# Altium PCB MINI_ESC_G0_V1.0.PcbDoc
Units mm, origin at the board's own origin, x right, y up, seen from the top; angles counter-clockwise.
Board outline 51.5 x 28 mm, 2 copper layers (Top Layer, Bottom Layer); 50 components, 35 nets, 156 pads, 98 vias.
Unrouted connection lines stored in the file: 2.
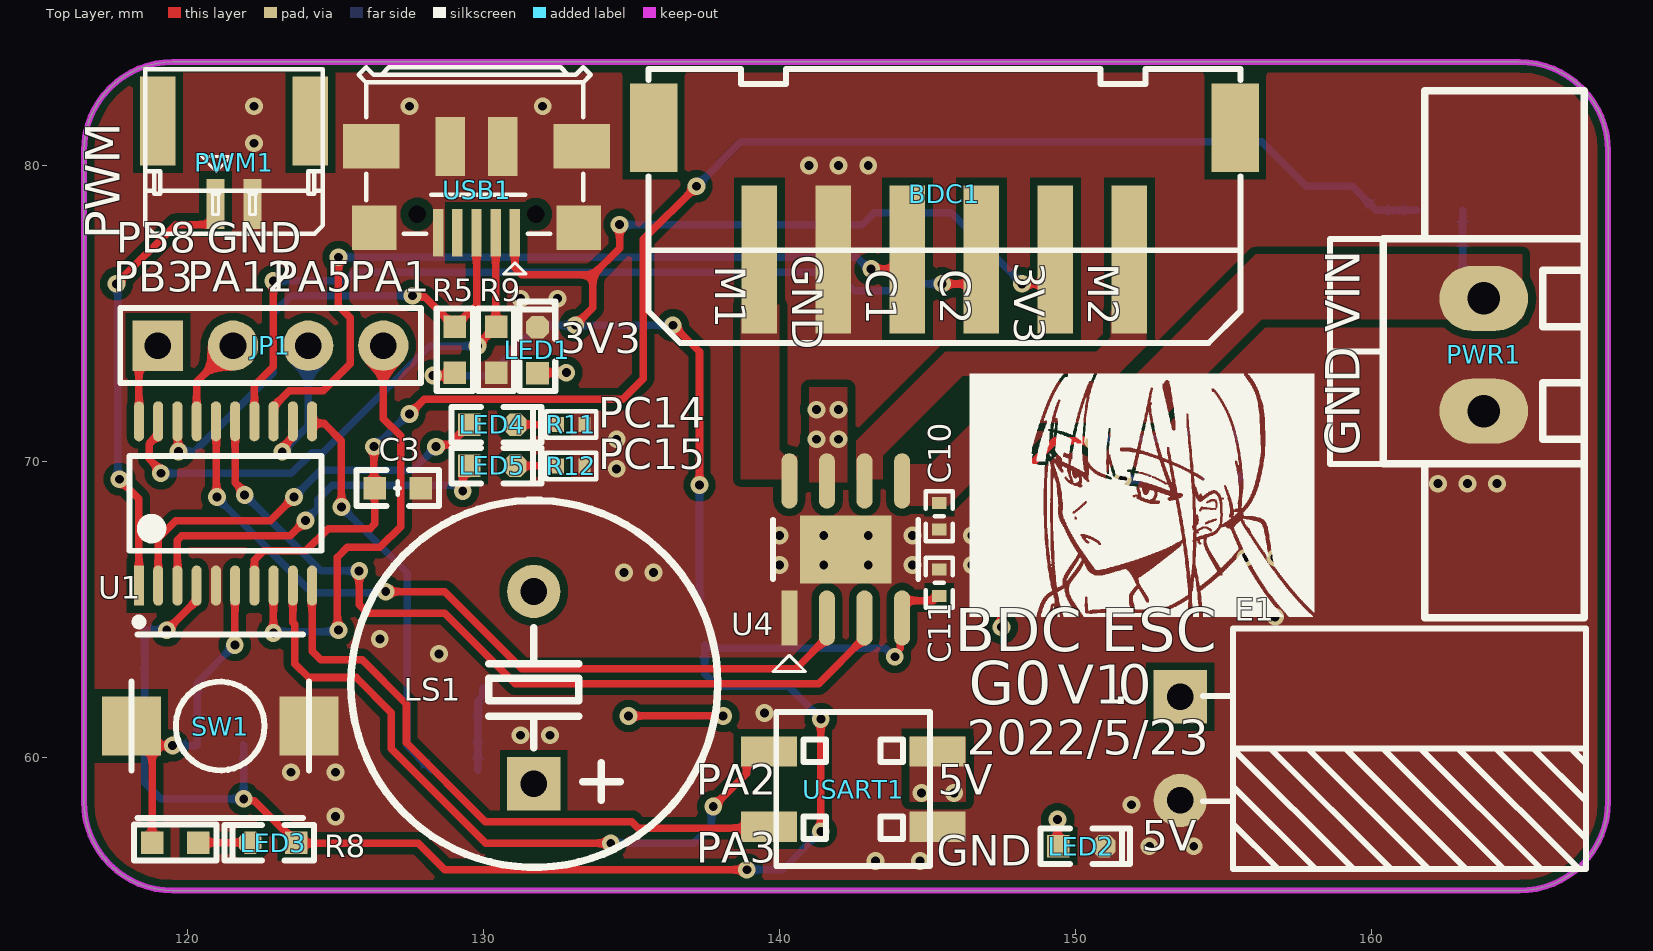
[diagram p0: Top Layer view]
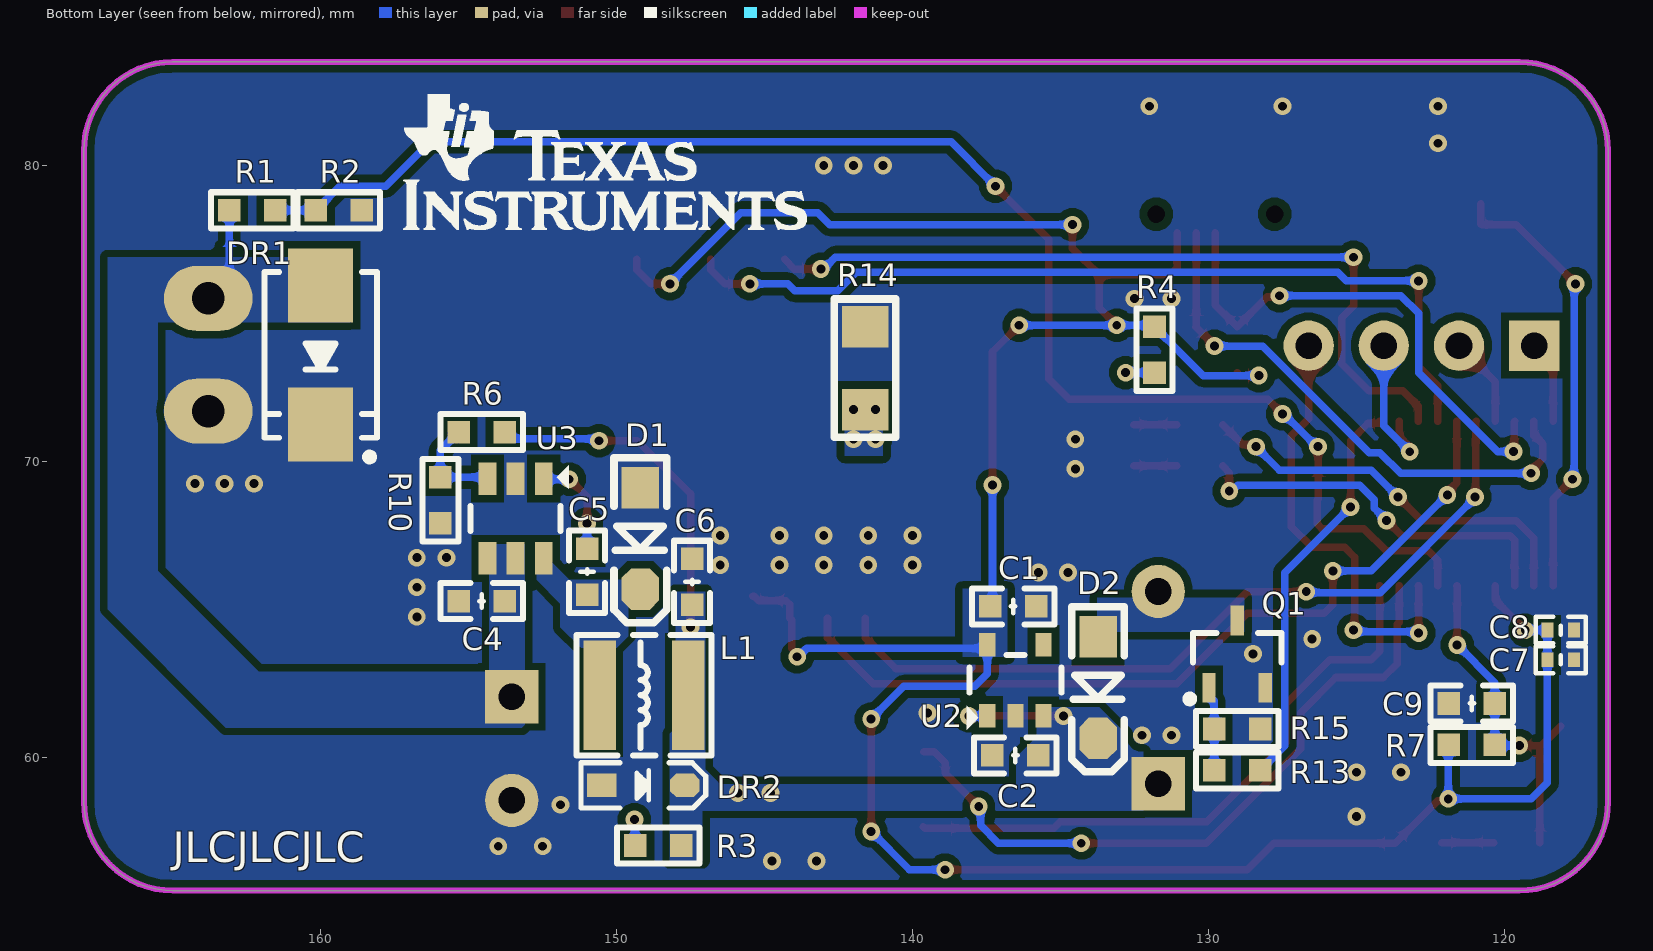
[diagram p1: Bottom Layer view, seen from below]

## Layer stack, top to bottom
Top Solder: solder mask 0.0102, Solder Resist, Dk 3.5
Top Layer: signal copper 0.0356
Dielectric 1: dielectric 0.32, FR-4, Dk 4.8
Bottom Layer: signal copper 0.0356
Bottom Solder: solder mask 0.0102, Solder Resist, Dk 3.5

## Board outline
116.5,58.5 116.5,80.5 cw(c119.5,80.5) 119.5,83.5 165,83.5 cw(c165,80.5) 168,80.5 168,58.5 cw(c165,58.5) 165,55.5 119.5,55.5 cw(c119.5,58.5)

## Design rules (kind name [scope] priority, off if disabled: settings)
Clearance Polygon [InPolygon] p1: gap=0.254 ignorepadtopadclearanceinfootprint=FALSE
Clearance [All] p2: gap=0.127 ignorepadtopadclearanceinfootprint=FALSE except(0.254: Arc-Arc Arc-Track Track-Track; 0.305: Arc-Via Arc-Hole Track-Via Track-Hole)
HoleSize [All] p1: absolutevalues=TRUE maxlimit=10 minlimit=0.3 maxpercent=80.000 minpercent=20.000
MinimumSolderMaskSliver [All] p1: minsoldermaskwidth=0
PlaneConnect [All] p1: planeconnectstyle=Direct reliefexpansion=0.508 reliefentries=4 reliefconductorwidth=0.254 reliefairgap=0.254
PolygonConnect [All] p1: connectstyle=Direct reliefconductorwidth=0.254 reliefentries=4 polygonreliefangle="90 Angle" airgapwidth=0.254
RoutingVias [All] p1: holewidth=0.3 width=0.6 viastyle="Through Hole" minholewidth=0.3 minwidth=0.6 maxholewidth=0.711 maxwidth=1.27
SilkToSilkClearance [All] p1: silktosilkclearance=0
SilkToSolderMaskClearance [IsPad] p1: minsilkscreentomaskgap=0 clearancetoexposedcopper=TRUE
SolderMaskExpansion [All] p1: expansion=0.064 istentingtop=FALSE
Width [All] p1: maxlimit=1.016 minlimit=0.127 preferedwidth=0.254
25 further rules are at their usual default settings.

## Components (designator, comment, footprint, x,y, rotation, side; value= is the part's Value field where it differs from the comment)
BDC1 "HDR-1X6" XH2.54-LS-6P 145.575,80.26 r0 top
C1 "4.7uF" "C 0603_L" 136.6,65.1 r0 bottom
C2 "105" "C 0603_L" 136.525,60.071 r180 bottom
C3 "101" "C 0603_L" 127.1,69.1 r180 top
C4 "2.2μF/50V" "C 0603_L" 154.559,65.278 r0 bottom
C5 "220nF" "C 0603_L" 151,66.277 r270 bottom
C6 "106" "C 0603_L" 147.447,65.928 r90 bottom
C7 "104" "C 0402_L" 118.1,63.3 r0 bottom
C8 "4.7uF" "C 0402_L" 118.1,64.3 r0 bottom
C9 "104" "C 0603_L" 121.104,61.822 r180 bottom
C10 "104" "C 0402_L" 145.4,68.15 r90 top
C11 "104" "C 0402_L" 145.4,65.9 r270 top
D1 "1N5819" SOD-123 149.2,67.4 r270 bottom
D2 "1N4002" SOD-123 133.731,62.357 r270 bottom
DR1 "SMBJ28CA" SMB 160,73.6 r270 bottom
DR2 "SMF5.0A" SOD-323 149.098,59.055 r180 bottom
E1 "220uF/35V" "CAP 3.5*8*11.5-H - BK" 153.543,60.297 r270 top
JP1 "HDR-1X4" HDR2.54-LI-4P 122.809,73.914 r0 top
L1 "22uH" NR4030 149.074,62.103 r180 bottom
LED1 "ORANGE" "LED 0603R" 131.826,73.755 r90 top
LED2 "PINK" "LED 0603R" 150.2,57 r0 top
LED3 "WHITE" "LED 0603W" 122.897,57.123 r180 top
LED4 "RED" "LED 0603R" 130.302,71.247 r0 top
LED5 "GREEN" "LED 0603G" 130.302,69.85 r0 top
LS1 "DC5V" "BEEP 6.5x12x6" 131.699,62.357 r0 top
PWM1 "HDR-1X2" GH1.25-LS-2P 121.575,81.2 r180 top
PWR1 "绿头卧式2P" 15EDGVM-02P-3.81mm 163.3,79.32 r90 top
Q1 "S9013" SOT23-3L 129.032,63.5 r180 bottom
R1 "39K" "R 0603_L" 162.306,78.486 r0 bottom
R2 "2.2K" "R 0603_L" 159.385,78.486 r0 bottom
R3 "3.3K" "R 0603_L" 148.59,57.023 r180 bottom
R4 "2K" "R 0603_L" 131.826,73.772 r90 bottom
R5 "10K" "R 0603_L" 129.032,73.772 r270 top
R6 "54.9K" "R 0603_L" 154.559,70.993 r0 bottom
R7 "10K" "R 0603_L" 121.104,60.425 r0 bottom
R8 "1K" "R 0603_L" 119.58,57.123 r0 top
R9 "10K" "R 0603_L" 130.429,73.772 r270 top
R10 "10K" "R 0603_L" 155.956,68.692 r270 bottom
R11 "1K" "R 0402_L" 132.969,71.247 r180 top
R12 "1K" "R 0402_L" 132.969,69.85 r180 top
R13 "2K" "R 0603_L" 129.032,59.563 r0 bottom
R14 "0.14" "R 1206_L" 141.605,73.152 r270 bottom
R15 "3.3K" "R 0603_L" 129.032,60.96 r0 bottom
SW1 "6x6x5" "TS 2PIN 6x6x4.8" 121.104,61.06 r0 top
U1 "STM32G030F6P6" STMicroelectronics_TSSOP20-YA_IPC_C 121.285,68.58 r90 top
U2 "LP5907MFX-3.3" Diodes_SOT25_MFG 136.525,62.611 r90 bottom
U3 "LMR14206XMK" Texas_Instruments_DDC0006A_0 153.416,68.072 r0 bottom
U4 "DRV8870DDAR" Texas_Instruments_DDA0008J_IPC_C 142.24,67.026 r90 top
USART1 "Header2X2" HDR2.54-M-LS-2x2P 142.494,58.928 r270 top
USB1 "USB-5P" USB-MICRO_E 129.767,80.647 r180 top

## Footprints (in the part's own frame and the unit in brackets; to place one, negate y for a bottom-side part, rotate by r counter-clockwise, add the part's x,y. Pads: shape width x height; smd on the part's side, far side on the other; paste and mask are expansions set on the pad)
15EDGVM-02P-3.81mm [mm]
  oval 2.2x3 hole 1.1: 1(-7.62,-0.5) 2(-3.81,-0.5)
  silkscreen extent -14.6,-3.9 3.2,2.9, body extent -14.7,-4 3.31,3, height 9.2
"BEEP 6.5x12x6" [mm] "6.5*12*6mm(脚距,直径,高度)"
  rect 1.8x1.8 hole 0.9: 1(0,-3.25)
  round 1.8 hole 0.9: 2(0,3.25)
  silkscreen extent -6.18,-6.07 6.22,6.32, body extent -6,-6 6,6, height 6.05
"C 0402_L" [mm] "无极性贴片电容"
  rect 0.4x0.5 smd: 1(-0.45,0) 2(0.45,0)
  silkscreen extent -0.85,-0.45 0.85,0.45, body extent -0.5,-0.26 0.5,0.26, height 0.53
"C 0603_L" [mil] "无极性贴片电容"
  rect 30x30 smd: 1(-30.59,0) 2(30.59,0)
  silkscreen extent -55,-24 55,24, body extent -31,-16 31,16, height 32
"CAP 3.5*8*11.5-H - BK" [mm] "脚距3.5mm直径8mm高度11.5mm"
  rect 1.8x1.8 hole 0.9: 1(-1.75,0)
  round 1.8 hole 0.9: 2(1.75,0)
  silkscreen extent -4.06,0.76 4.06,13.72, body extent -4,-0.3 4.01,13.41, height 8.03
Diodes_SOT25_MFG [mm]
  rect 0.8x0.55 smd paste+0 mask+0: 1(-1.2,0.95) 2(-1.2,0) 3(-1.2,-0.95) 4(1.2,-0.95) 5(1.2,0.95)
  silkscreen extent -1.67,-1.55 0.85,1.65, body extent -1.4,-1.47 1.4,1.45, height 1.45
GH1.25-LS-2P [mm] "A1257WR-S-2P"
  rect 1.2x3 smd: 0(-2.575,-0.3) 0(2.575,-0.3)
  rect 0.6x1.7 smd: 1(0.625,2.5) 2(-0.625,2.5)
  silkscreen extent -3,-2.05 3,2.85, body extent -2.88,-2.05 2.88,2.85, height 4.08
HDR2.54-LI-4P [mm] "排针，4脚"
  rect 1.7x1.7 hole 0.9: 1(-3.81,0)
  round 1.7 hole 0.9: 2(-1.27,0) 3(1.27,0) 4(3.81,0)
  silkscreen extent -5.08,-1.27 5.08,1.27, body extent -5.08,-1.27 5.08,1.27, height 8.5
HDR2.54-M-LS-2x2P [mm] "脚距：2.54mm，贴片双排母"
  rect 1.02x1.9 smd: 1(-1.27,2.85) 2(-1.27,-2.85) 3(1.27,2.85) 4(1.27,-2.85)
  silkscreen extent -2.6,-2.6 2.6,2.6, body extent -2.57,-3.2 2.57,3.2, height 5.15
"LED 0603G" [mil] "绿色0603LED"
  rect 30x30 smd: 1(-30.59,0)
  oct 30x30 smd: 2(30.59,0)
  silkscreen extent -54,-24 65,24, body extent -31,-16 32,16, height 24
"LED 0603R" [mil] "红色0603LED"
  rect 30x30 smd: 1(-30.59,0)
  oct 30x30 smd: 2(30.59,0)
  silkscreen extent -54,-24 65,24, body extent -31,-16 32,16, height 24
"LED 0603W" [mil] "白色0603LED"
  rect 30x30 smd: 1(-30.59,0)
  oct 30x30 smd: 2(30.59,0)
  silkscreen extent -54,-24 65,24, body extent -31,-16 32,16, height 24
NR4030 [mm] "4.0mm*4.0mm*3.0mm(长*宽*高）"
  rect 1.1x3.7 smd: 1(-1.5,0) 2(1.5,0)
  silkscreen extent -2.29,-2.03 2.29,2.03, body extent -2,-2 2,2, height 3.1
"R 0402_L" [mm] "1/16W贴片电阻"
  rect 0.4x0.5 smd: 1(-0.45,0) 2(0.45,0)
  silkscreen extent -0.85,-0.45 0.85,0.45, body extent -0.5,-0.25 0.5,0.25, height 0.3
"R 0603_L" [mil] "1/10W贴片电阻"
  rect 30x30 smd: 1(-30.59,0) 2(30.59,0)
  silkscreen extent -55,-24 55,24, body extent -31,-16 31,16, height 16
"R 1206_L" [mil] "1/4W贴片电阻"
  rect 55x62 smd: 1(-55.12,0) 2(55.11,0)
  silkscreen extent -92,-41 92,41, body extent -63,-31 63,31, height 22
SMB [mm] "4.7*3.9*2.2mm(长宽高，不包括引脚）"
  rect 2.5x2.2 smd: 1(-2.35,0) 2(2.35,0)
  silkscreen extent -2.8,-1.9 3.57,1.9, body extent -2.63,-1.8 2.67,1.8, height 2.35
SOD-123 [mil] "2.7x1.6X1.1mm（长宽高，不包括引脚）"
  rect 55x50 smd: 1(-67.5,0)
  oct 55x50 smd: 2(67.5,0)
  silkscreen extent -108,-35 112,35, body extent -73,-31 73,31, height 48
SOD-323 [mm] "1.8x1.3X0.9mm（长宽高，不包括引脚）"
  rect 1x0.8 smd: 1(-1.4,0)
  oct 1x0.8 smd: 2(1.4,0)
  silkscreen extent -2.11,-0.76 2.11,0.76, body extent -1.34,-0.63 1.31,0.67, height 1
SOT23-3L [mm] "3x1.3x1mm(长宽高)"
  rect 0.45x1 smd: 1(-0.95,-1.143) 2(0.95,-1.143) 3(0,1.125)
  silkscreen extent -1.73,-1.65 1.5,0.7, body extent -1.5,-1.2 1.5,1.2, height 1.05
STMicroelectronics_TSSOP20-YA_IPC_C [mm]
  rect 1.355x0.341 smd paste+0 mask+0: 1(-2.775,2.925)
  rrect100% 1.355x0.341 smd paste+0 mask+0: 2(-2.775,2.275) 3(-2.775,1.625) 4(-2.775,0.975) 5(-2.775,0.325) 6(-2.775,-0.325) 7(-2.775,-0.975) 8(-2.775,-1.625) 9(-2.775,-2.275) 10(-2.775,-2.925) 11(2.775,-2.925) 12(2.775,-2.275) 13(2.775,-1.625) 14(2.775,-0.975) 15(2.775,-0.325) 16(2.775,0.325) 17(2.775,0.975) 18(2.775,1.625) 19(2.775,2.275) 20(2.775,2.925)
  silkscreen extent -4.13,-3.25 1.6,3.25, body extent -3.55,-3.35 3.55,3.35, height 0.25
Texas_Instruments_DDA0008J_IPC_C [mm]
  rect 1.874x0.542 smd paste+0 mask+0: 1(-2.316,1.905)
  rrect100% 1.874x0.542 smd paste+0 mask+0: 2(-2.316,0.635) 3(-2.316,-0.635) 4(-2.316,-1.905) 5(2.316,-1.905) 6(2.316,-0.635) 7(2.316,0.635) 8(2.316,1.905)
  rect 2.3x3.1 smd paste-1000 mask+0: 9(0,0)
  silkscreen extent -1,-2.45 1,2.45, body extent -3.35,-2.55 3.35,2.55, height 0.25
Texas_Instruments_DDC0006A_0 [mm]
  rect 0.6x1.1 smd paste+0 mask+0: 1(-0.95,-1.35) 2(0,-1.35) 3(0.95,-1.35) 4(0.95,1.35) 5(0,1.35) 6(-0.95,1.35)
  silkscreen extent -1.8,-1.8 1.53,0.43, body extent -1.45,-1.4 1.45,1.4, height 0.97
"TS 2PIN 6x6x4.8" [mm] "贴片轻触开关6x6x4.8"
  rect 2x2 smd: 1(-3,0) 2(3,0)
  silkscreen extent -3,-3.1 3,3.1, body extent -3.3,-3 3.3,3, height 5
USB-MICRO_E [mm] "micro型USB ，5.9*8.2*2.5mm"
  round 0 hole 0.6 unplated: 0(-2,2.294) 0(2,2.294)
  rect 0.35x1.6 smd: 1(-1.295,2.921) 2(-0.648,2.921) 3(0,2.921) 4(0.648,2.921) 5(1.295,2.921)
  rect 1.9x1.5 smd: 5(-3.556,0) 5(3.556,0)
  rect 1.5x1.5 smd: 5(-3.454,2.754) 5(3.454,2.754)
  rect 1x2 smd: 5(-0.889,0.01) 5(0.889,0.01)
  silkscreen extent -3.86,-2.67 3.99,4.32, body extent -4,-2.72 4,3.36, height 2.8
XH2.54-LS-6P [mm] "长：20mm，宽：6mm，高：8.3mm"
  rect 1.6x3 smd: 0(-9.826,1.016) 0(9.826,1.016)
  rect 1.2x5 smd: 1(-6.25,-3.433) 2(-3.75,-3.433) 3(-1.25,-3.433) 4(1.25,-3.433) 5(3.75,-3.433) 6(6.25,-3.433)
  silkscreen extent -10,-3.13 10,3, body extent -10,-6 10,3, height 8

## Part data
BDC1: library part "Header 6", "6P接插件", BOM名称=6P接插件
C1 C2 C3 C4 C5 C6 C7 C8 C9 C10 C11: library part C, "无极性贴片电容", BOM名称=无极性贴片电容, 材质=X7R
D1: "肖特基二极管", BOM名称=肖特基二极管, 属性=40V/2A
D2: library part 1N4007, "整流二极管", BOM名称=整流二极管
DR1 DR2: library part DR, "瞬态电压抑制二极管", BOM名称=瞬态电压抑制二极管
E1: library part C-CAP, "直插电解电容", BOM名称=直插电解电容
JP1: library part "Header 4", "4P接插件", BOM名称=4P接插件
L1: library part L-NR, "NR磁胶电感", BOM名称=NR磁胶电感
LED1 LED2 LED3 LED4 LED5: library part LED-SMD, "贴片LED", BOM名称=贴片LED
LS1: library part BEEP, "蜂鸣器", BOM名称=蜂鸣器
PWM1: library part "Header 2", "2P接插件", BOM名称=2P接插件
PWR1: "3.81间距"
Q1: library part 9013-SMD, "低频放大-NPN型", BOM名称=低频放大-NPN型, 属性=50V?0.5A?0.625W
R1 R2 R3 R4 R5 R6 R7 R8 R9 R10 R11 R12 R13 R14 R15: library part R, "贴片电阻", BOM名称=贴片电阻
SW1: library part "TSW SMD-2Pin-6x6", "2脚贴片6x6无声硅胶轻触开关", BOM名称=2脚轻触开关
U1: "Arm® Cortex®-M0+ 32-bit MCU, up to 64 KB Flash, 8 KB RAM, / 2x USART, timers, ADC, comm. I/Fs, 2.0-3.6V"
U2: library part LP5907MFX-3.3-NOPB, "250-mA ultra-low-noise low-IQ low-dropout (LDO) linear regulator 5-SOT-23 -40 to 125"
U3: "4.5V to 42V, 0.6A Step-Down DC/DC Switching Regulator in SOT-23 Package 6-SOT-23-THIN -40 to 125"
U4: "50-V, 3.6-A H-bridge motor driver with current regulation 8-SO PowerPAD -40 to 125"
USART1: library part "Header 2X2", "2*2P接插件", BOM名称=2*2P接插件
USB1: "微型USB母座", BOM名称=微型USB母座

## Via types
v1: diameter 0.6, hole 0.3, Top Layer to Bottom Layer, tented both sides, 98 vias

## Nets (pads, with @x,y where several pads share a name; then routed paths per layer and width w, separated by ;. In a path a pad name is that pad's centre, name@x,y a point inside that pad or via, vN(x,y) a via of type N, cw(c..) or ccw(c..) an arc to the next point about the centre after c; other vN are vias at no path point)
3V3: BDC1.5 C1.2 C7.2 C8.2 C11.2 LED3.1 R4.2 R5.2 R7.2 U1.4 U2.5 U4.4 USB1.1 | length 96.9
  Top Layer w0.254: v1(119.3,64.3) 119.306,64.3 120.31,65.304 U1.4 ; v1(121.9,58.6) 121.966,58.534 122.263,58.534 LED3.1 123.697,57.1 127.8,57.1 128.695,56.205 v1(138.9,56.205) ; v1(128.3,72.9) 128.937,72.9 R5.2 ; USB1.1 131.062,76.538 131.3,76.3 133.7,76.3 ; v1(133.1,74.6) 133.7,75.2 133.7,76.3 ; v1(134.6,78) 134.6,77.2 133.7,76.3 ; v1(136.4,74.6) 137.3,73.7 v1(137.3,69.2) ; v1(141.4,57.5) v1(141.4,61.3) ; 144.09,63.683 144.09,64.655 U4.4 144.145,65.167 144.278,65.3 145.2,65.3 145.35,65.45 C11.2 ; v1(148.2,76) 148.852,76 149.325,76.473 BDC1.5
  Bottom Layer w0.254: v1@119.3,64.3 C8.2 C7.2 118.55,59.15 119.1,58.6 v1(121.9,58.6) 121.9,60.406 R7.2 ; v1(128.3,72.9) 130.177,72.9 R4.2 131.877,74.6 v1(136.4,74.6) ; v1(134.6,78) 142.8,78 143.2,78.4 145.8,78.4 v1(148.2,76) ; v1(137.3,69.2) 137.3,65.177 C1.2 ; U2.5 U2.5@137.475,63.686 ; v1(138.9,56.205) 140.105,56.205 v1(141.4,57.5) ; v1(141.4,61.3) 140.3,62.4 137.9,62.4 137.475,62.825 U2.5@137.475,63.686 ; v1(143.9,63.4) 143.864,63.4 143.578,63.686 U2.5@137.475,63.686
5V: C2.2 C6.1 D2.2 DR2.2 L1.2 LS1.1 R3.2 R6.1 U2.1 U2.3 USART1.1 | length 15.6
  Top Layer w0.254: v1(134.9,61.4) v1(138.1,61.4) ; v1(147.5,64.4) 147.5,68.9 149.3,70.7 v1(150.6,70.7)
  Bottom Layer w0.254: U2.1 137.486,61.4 v1(138.1,61.4) ; v1(147.5,64.4) v1@147.6,64.4 ; v1(150.6,70.7) 150.666,70.766 153.555,70.766 R6.1
  other v1: 144.8,58.8 145.9,58.8
FB: R6.2 R10.1 U3.3 | length 3.4
  Bottom Layer w0.254: U3.3 154.413,69.469 R10.1 155.956,70.373 R6.2
GND: BDC1.2 C1.1 C2.1 C3.1 C4.2 C6.2 C7.1 C8.1 C9.1 C10.1 C11.1 D1.1 DR1.2 DR2.1 E1.2 LED1.2 LED2.2 PWM1.2 PWR1.1 Q1.2 R2.1 R9.2 R10.2 R11.1 R12.1 R14.1 R15.1 SW1.2 U1.5 U2.2 U3.2 U4.1 U4.9 USART1.3 USB1.5
  other v1: 143.25,56.5 144.75,56.5 152.5,57 154,57 125,58 151.9,58.4 123.5,59.5 125,59.5 131.25,60.75 132.25,60.75 139.5,61.5 128.5,63.5 126.5,64 156.75,64.75 156.75,65.75 134.75,66.25 135.75,66.25 140,66.5 141.5,66.5 143,66.5 144.5,66.5 146.5,66.5 155.75,66.75 156.75,66.75 140,67.5 141.5,67.5 143,67.5 144.5,67.5 146.5,67.5 162.25,69.25 163.25,69.25 164.25,69.25 134.5,69.75 134.5,70.75 131.25,75.5 132.5,75.5 141,80 142,80 143,80 122.25,80.75 122.25,82 127.5,82 132,82
M_A: BDC1.6 U4.6
M_B: BDC1.1 U4.8
NetC5_1: C5.1 U3.1 | length 3.5
  Top Layer w0.254: v1(151,67.9) 151,68.8 v1(151.6,69.4)
  Bottom Layer w0.254: C5.1 v1(151,67.9) ; v1(151.6,69.4) 152.444,69.4 U3.1
NetC5_2: C5.2 D1.2 L1.1 U3.6
NetD2_1: D2.1 LS1.2 Q1.3
NetLED1_1: LED1.1 R4.1 | length 2
  Top Layer w0.254: LED1.1 131.848,73 v1(132.8,73)
  Bottom Layer w0.254: R4.1 131.831,73 v1(132.8,73)
NetLED2_1: LED2.1 R3.1 | length 1.8
  Top Layer w0.254: v1(149.4,57.9) 149.4,57.023 LED2.1
  Bottom Layer w0.254: R3.1 149.381,57.037 149.381,57.881 v1(149.4,57.9)
NetLED3_2: LED3.2 R8.2 | length 1.8
  Top Layer w0.254: R8.2 LED3.2
NetLED4_2: LED4.2 R11.2 | length 1.4
  Top Layer w0.254: LED4.2 R11.2
NetLED5_2: LED5.2 R12.2 | length 1.4
  Top Layer w0.254: LED5.2 R12.2
NetQ1_1: Q1.1 R13.2 R15.2 | length 2.9
  Bottom Layer w0.254: R13.2 R15.2 129.809,61.909 129.982,62.082 Q1.1
NetR14_2: R14.2 U4.7
  other v1: 141.25,70.75 142,70.75 141.25,71.75 142,71.75
NRST: C9.2 R7.1 R8.1 SW1.1 U1.6 | length 11.7
  Top Layer w0.254: SW1.1 SW1.1@118.764,60.4 ; R8.1 118.803,60.361 SW1.1@118.764,60.4 ; v1(119.5,60.4) SW1.1@118.764,60.4 ; v1(121.6,63.8) 121.605,63.805 121.605,65.8 U1.6
  Bottom Layer w0.254: v1(119.5,60.4) 120.302,60.4 R7.1 C9.2 120.327,62.527 v1(121.6,63.8)
PA0-ADC1_IN0: C3.2 R1.1 R2.2 U1.7 | length 51.3
  Top Layer w0.254: U1.7 122.26,66.66 122.584,66.984 124.001,66.984 124.749,67.732 126.167,67.732 126.323,67.888 126.323,68.7 126.3,68.723 v1(126.3,70.5) ; v1(127.5,71.6) 128,72.1 134.7,72.1 135.4,72.8 135.4,77.5 v1(137.2,79.3)
  Bottom Layer w0.254: v1(126.3,70.5) 126.35,70.5 127.45,71.6 v1(127.5,71.6) ; v1(137.2,79.3) 138.7,80.8 156.3,80.8 157.8,79.3 159.348,79.3 R2.2 R1.1
PA1: JP1.4 U1.8 | length 15.2
  Top Layer w0.254: v1(122.9,64.2) 122.905,64.205 122.905,65.8 U1.8 ; v1(125.1,64.3) 125.068,64.332 125.068,66.768 125.4,67.1 126.5,67.1 127.2,67.8 127.2,70.865 126.619,71.446 JP1.4
  Bottom Layer w0.254: v1(122.9,64.2) 122.95,64.25 125.05,64.25 v1(125.1,64.3)
PA2-USART2_TX: U1.9 USART1.2 | length 23.7
  Top Layer w0.254: U1.9 123.56,64.575 123.632,64.503 123.632,63.168 124.1,62.7 125.7,62.7 126.892,61.508 126.892,60.29 130.082,57.1 v1(134.3,57.1) ; v1(137.766,58.34) 138.889,59.462 138.889,59.815 139.272,60.198 USART1.2@139.624,60.198
  Bottom Layer w0.254: v1(134.3,57.1) 137.1,57.1 137.7,57.7 137.7,58.274 v1(137.766,58.34)
PA3-USART2_RX: U1.10 USART1.4 | length 20.9
  Top Layer w0.254: U1.10 124.21,63.59 124.5,63.3 125.9,63.3 127.4,61.8 127.4,60.5 130.068,57.832 135.003,57.832 135.227,57.608 139.594,57.608 USART1.4
PA4-BEEP: R13.1 U1.11 | length 13.7
  Top Layer w0.254: U1.11 124.21,71.327 124.25,71.287 124.613,71.287 125.2,70.7 v1(125.2,68.464)
  Bottom Layer w0.254: v1(125.2,68.464) 127.432,66.232 127.432,60.386 R13.1
PA5: JP1.3 U1.12 | length 5.1
  Top Layer w0.254: v1(123.2,70.326) 123.266,70.392 123.266,70.531 123.56,70.825 U1.12 ; JP1.3 JP1.3@124.09,73.925
  Bottom Layer w0.254: v1(123.2,70.326) 124.079,71.205 JP1.3
PA6-TIM3_CH1: BDC1.3 U1.13 | length 27
  Top Layer w0.254: U1.13 122.91,71.863 123.437,72.39 124.59,72.39 125.5,73.3 125.5,74.853 125.1,75.253 v1(125.1,76.9) ; v1(143.1,76.5) 143.998,76.5 BDC1.3
  Bottom Layer w0.254: v1(125.1,76.9) 142.606,76.9 143.006,76.5 v1(143.1,76.5)
PA7-TIM3_CH2: BDC1.4 U1.14 | length 30
  Top Layer w0.254: U1.14 122.26,72.56 122.9,73.2 v1(122.9,76.1) ; v1(145.5,76) 146.352,76 146.825,76.473 BDC1.4
  Bottom Layer w0.254: v1(122.9,76.1) 122.908,76.108 125.343,76.108 125.627,76.392 141.908,76.392 142.532,75.768 143.986,75.768 144.218,76 v1(145.5,76)
PA8-TIM1_CH1: U1.15 U4.3 | length 28.2
  Top Layer w0.254: U1.15 121.61,69.284 121.932,68.962 v1(121.932,68.868) ; v1(125.8,66.3) 125.8,65.165 126.097,64.868 128.699,64.868 131.075,62.492 141.323,62.492 142.875,64.044 U4.3
  Bottom Layer w0.254: v1(121.932,68.868) 124.5,66.3 v1(125.8,66.3)
PA11-TIM1_CH4: U1.16 U4.2 | length 26.7
  Top Layer w0.254: U1.16 120.977,71.339 120.977,68.823 v1(121,68.8) ; v1(126.7,65.6) 128.7,65.6 131.3,63 140.561,63 141.605,64.044 U4.2
  Bottom Layer w0.254: v1(121,68.8) 121,68.765 124.197,65.568 126.668,65.568 v1(126.7,65.6)
PA12: JP1.2 U1.17 | length 3.1
  Top Layer w0.254: U1.17 120.31,72.685 JP1.2
PB3: JP1.1 U1.20 | length 2.8
  Top Layer w0.254: U1.20 118.36,73.275 JP1.1
PB8-TIM16_CH1: PWM1.1 U1.1 | length 15.2
  Top Layer w0.254: v1(117.6,76) 119.6,78 120.777,78 120.8,78.023 PWM1.1@120.8,78.7 ; v1(117.7,69.4) 118.36,68.74 U1.1
  Bottom Layer w0.254: v1(117.6,76) 117.65,75.95 117.65,69.45 v1(117.7,69.4)
PC14-LED1: LED4.1 U1.2 | length 13.7
  Top Layer w0.254: U1.2 119.01,67.41 119.6,68 122.8,68 v1(123.6,68.8) ; v1(128.4,70.5) 128.466,70.566 128.844,70.566 LED4.1
  Bottom Layer w0.254: v1(123.6,68.8) 124.503,69.703 127.603,69.703 v1(128.4,70.5)
PC15-LED2: LED5.1 U1.3 | length 13.1
  Top Layer w0.254: U1.3 119.66,67.342 119.81,67.492 123.475,67.492 v1(123.991,68.009) ; v1(129.3,69) 129.3,69.625 LED5.1
  Bottom Layer w0.254: v1(123.991,68.009) 123.991,68.018 124.4,68.427 124.4,68.699 124.897,69.195 129.011,69.195 129.206,69 v1(129.3,69)
SWCLK: R9.1 U1.19 USB1.2 | length 18.6
  Top Layer w0.254: U1.19 119.01,70.872 118.943,70.805 118.917,70.805 118.7,70.588 118.7,70.094 119.1,69.694 v1(119.1,69.6) ; v1(129.8,73.9) 129.8,73.92 R9.1 130.415,74.563 USB1.2
  Bottom Layer w0.254: v1(119.1,69.6) 122.235,69.6 122.241,69.594 123.503,69.594 124.209,70.3 124.566,70.3 128.166,73.9 v1(129.8,73.9)
SWDIO: R5.1 U1.18 USB1.3 | length 17.6
  Top Layer w0.254: U1.18 119.677,71.339 119.677,70.355 v1(119.7,70.332) ; v1(127.6,75.6) 127.637,75.563 128.018,75.563 R5.1 129.767,75.284 USB1.3
  Bottom Layer w0.254: v1(119.7,70.332) 120.232,70.332 122.9,73 122.9,75 123.5,75.6 v1(127.6,75.6)
VIN: C4.1 C10.2 DR1.1 E1.1 PWR1.2 R1.2 U3.4 U3.5 U4.5 | length 2.5
  Bottom Layer w0.254: R1.2 163.083,76.122 PWR1.2@163.195,76.01
pads on no net: BDC1.0 PWM1.0 U2.4 USB1.0 USB1.4

## Polygon pours and split planes (outlines as drawn)
GND on Top Layer "GND_L01_P012" (solid, remove dead copper, pour order 12): 116.5,58.5 116.5,80.5 cw(c119.5,80.5) 119.5,83.5 165,83.5 cw(c165,80.5) 168,80.5 168,58.5 cw(c165,58.5) 165,55.5 119.5,55.5 cw(c119.5,58.5)
5V on Top Layer "5V_L01_P009" (solid, remove dead copper, pour order 9): 144.4,60.7 144.4,58.5 146.3,58.5 146.3,60.7
M_B on Top Layer "M_B_L01_P003" (solid, remove dead copper, pour order 3): 140.6,69.4 138.7,69.4 138.7,75.3 140,75.3 140,70.4 140.2,70.2 140.6,70.2
M_A on Top Layer "M_A_L01_P004" (solid, remove dead copper, pour order 4): 142.6,69.4 143.5,69.4 143.5,70.2 146.2,72.9 151.4,72.9 152.4,73.9 152.4,75.1 151.2,75.1 151.2,74.2 150.7,73.7 145.6,73.7 142.6,70.7 142.6,69.9
NetR14_2 on Top Layer "NETR14_2_L01_P002" (solid, remove dead copper, pour order 2): 141,69.3 142.3,69.3 142.3,72.5 141,72.5
VIN on Top Layer "VIN_L01_P000" (solid, remove dead copper, pour order 0): 144.1,68.5 145.7,68.5 148.5,71.3 152.8,71.3 156.3,74.8 165.1,74.8 165.1,77 157.6,77 156.1,77 151.8,72.7 147.9,72.7 145.1,69.9 144.1,69.9
GND on Bottom Layer "GND_L02_P013" (solid, remove dead copper, pour order 13): 116.5,58.5 116.5,80.5 cw(c119.5,80.5) 119.5,83.5 165,83.5 cw(c165,80.5) 168,80.5 168,58.5 cw(c165,58.5) 165,55.5 119.5,55.5 cw(c119.5,58.5)
5V on Bottom Layer "5V_L02_P008" (solid, remove dead copper, pour order 8): 148.2,56.5 147.1,56.5 147.1,58.2 132.2,58.2 132.2,60.2 133.7,61.7 135.8,61.7 135.8,60.7 136.5,60 136.5,59.1 146.5,59.1 147,59.6 147,65.6 148,65.6 148,61.2 147.9,61.1 148.2,60.8 148.2,58.9
3V3 on Bottom Layer "3V3_L02_P011" (solid, remove dead copper, pour order 11): 136.8,63.4 138.3,63.4 138.3,65.7 136.8,65.7
NetD2_1 on Bottom Layer "NETD2_1_L02_P010" (solid, remove dead copper, pour order 10): 128.8,64.25 133.759,64.25 133.759,65.4 128.8,65.4
NetC5_2 on Bottom Layer "NETC5_2_L02_P007" (solid, remove dead copper, pour order 7): 152.2,66.6 151.6,66 149.6,66 149.6,64.1 150,63.7 151.2,63.7 151.9,64.4 151.9,65.2 152.7,66 152.7,66.6
NetR14_2 on Bottom Layer "NETR14_2_L02_P005" (solid, remove dead copper, pour order 5): 141,72.4 141,70.2 142.3,70.2 142.3,72.4
VIN on Bottom Layer "VIN_L02_P001" (solid, remove dead copper, pour order 1): 153.1,67.2 153.1,61.1 153.2,61 163.2,61 167.2,65 167.2,76.9 159,76.9 159,74.7 165.5,74.7 165.5,66.3 162.1,62.9 154.3,62.9 154.3,67.2

## Keep-outs
Keep-Out Layer:
  the board outline again, w0.2

## Silkscreen, mask and mechanical layers (free items; w line width, h text height)
Top Overlay:
  drawing of 7016 lines, arcs and shapes, not listed
  text "PWM" at 118.1,77.509 h2 r90
  text "GND" at 140.1,76.988 h1.75 r270
  text "3V3" at 147.6,76.726 h1.75 r270
  text "PB8" at 117.596,76.713 h1.75
  text "GND" at 120.643,76.713 h1.75
  text "M2" at 150.1,76.704 h1.75 r270
  text "M1" at 137.5,76.604 h1.75 r270
  text "C1" at 142.6,76.488 h1.75 r270
  text "C2" at 145.1,76.488 h1.75 r270
  text "PB3" at 117.486,75.4 h1.75
  text "PA12" at 119.986,75.4 h1.75
  text "PA5" at 122.886,75.4 h1.75
  text "PA1" at 125.486,75.4 h1.75
  text "VIN" at 160,74.361 h2 r90
  text "3V3" at 132.572,73.326 h1.75
  text "PC14" at 133.886,70.8 h1.75
  text "GND" at 160,70.194 h2 r90
  text "PC15" at 133.886,69.4 h1.75
  text "BDC ESC" at 145.922,63.1 h2.5
  text "V1" at 149.404,61.375 h2.25
  text "0" at 151.438,61.375 h2.25
  text "G0" at 146.392,61.3 h2.5
  text "." at 151.227,61.3 h2.5
  text "2022/5/23" at 146.322,59.7 h2
  text "PA2" at 137.186,58.4 h1.75
  text "5V" at 145.351,58.4 h1.75
  text "5V" at 152.251,56.5 h1.75
  text "PA3" at 137.186,56.1 h1.75
  text "GND" at 145.312,56 h1.75
Bottom Overlay:
  drawing of 2235 lines, arcs and shapes, not listed
  text "JLCJLCJLC" at 165.003,56.119 h1.75
Top Solder:
  region: 143.5,69.4 142.6,69.4 142.6,70.7 145.6,73.7 150.7,73.7 151.2,74.2 151.2,74.7 152.4,74.7 152.4,73.9 151.5,73 146.3,73 143.5,70.2
  region: 138.7,75.3 138.7,69.4 140.6,69.4 140.6,70.2 140.2,70.2 140,70.4 140,75.3
Mechanical 1:
  the board outline again, w0.2
Drill Drawing:
  circle w0.254: c95.556,106.3 r0.847
  lines w0.254: 94.709,102.067 95.133,102.067 95.556,101.644 95.979,102.067 96.403,102.067 95.979,102.49 96.403,102.913 95.979,102.913 95.556,103.337 95.133,102.913 94.709,102.913 95.133,102.49 94.709,102.067 ; 94.709,109.264 95.556,109.687 96.403,109.264 95.979,110.11 96.403,110.957 95.556,110.533 94.709,110.957 95.133,110.11 94.709,109.264 ; 94.709,114.767 96.403,114.767 95.556,113.074 94.709,114.767
  lines w0.381: 93.19,100.501 426.294,100.501 ; 93.19,115.741 426.294,115.741 ; 107.183,96.691 107.183,119.551 ; 121.911,96.691 121.911,119.551 ; 149.843,96.691 149.843,119.551 ; 162.692,96.691 162.692,119.551 ; 181.331,96.691 181.331,119.551 ; 219.419,96.691 219.419,119.551 ; 234.401,96.691 234.401,119.551 ; 253.345,96.691 253.345,119.551 ; 279.245,96.691 279.245,119.551 ; 300.931,96.691 300.931,119.551 ; 334.804,96.691 334.804,119.551 ; 368.678,96.691 368.678,119.551 ; 390.668,96.691 390.668,119.551 ; 93.19,96.691 426.294,96.691 426.294,119.551 93.19,119.551 93.19,96.691
  text "Symbol" at 95.476,116.884 h1.83
  text "Count" at 108.326,116.884 h1.83
  text "Hole Size" at 123.054,116.884 h1.83
  text "Plated" at 150.986,116.884 h1.83
  text "Hole Type" at 163.835,116.884 h1.83
  text "Drill Layer Pair" at 182.474,116.884 h1.83
  text "Via/Pad" at 220.562,116.884 h1.83
  text "Pad Shape" at 235.544,116.884 h1.83
  text "Template" at 254.488,116.884 h1.83
  text "Description" at 280.388,116.884 h1.83
  text "Hole Tolerance (+)" at 302.074,116.884 h1.83
  text "Hole Tolerance (-)" at 335.947,116.884 h1.83
  text "Hole Length" at 369.821,116.884 h1.83
  text "Routed Path Length" at 391.811,116.884 h1.83
  text "2" at 108.326,113.074 h1.52
  text "23.62mil (0.600mm)" at 123.054,113.074 h1.52
  text "NPTH" at 150.986,113.074 h1.52
  text "Round" at 163.835,113.074 h1.52
  text "Top Layer - Bottom Layer" at 182.474,113.074 h1.52
  text "Pad" at 220.562,113.074 h1.52
  text "Rounded" at 235.544,113.074 h1.52
  text "c0hn60" at 254.488,113.074 h1.52
  text "-" at 369.821,113.074 h1.52
  text "-" at 391.811,113.074 h1.52
  text "2" at 108.326,109.264 h1.52
  text "43.31mil (1.100mm)" at 123.054,109.264 h1.52
  text "PTH" at 150.986,109.264 h1.52
  text "Round" at 163.835,109.264 h1.52
  text "Top Layer - Bottom Layer" at 182.474,109.264 h1.52
  text "Pad" at 220.562,109.264 h1.52
  text "Rounded" at 235.544,109.264 h1.52
  text "r220_300h110r100" at 254.488,109.264 h1.52
  text "-" at 369.821,109.264 h1.52
  text "-" at 391.811,109.264 h1.52
  text "8" at 108.326,105.454 h1.52
  text "35.43mil (0.900mm)" at 123.054,105.454 h1.52
  text "PTH" at 150.986,105.454 h1.52
  text "Round" at 163.835,105.454 h1.52
  text "Top Layer - Bottom Layer" at 182.474,105.454 h1.52
  text "Pad" at 220.562,105.454 h1.52
  text "(Mixed)" at 235.544,105.454 h1.52
  text "(Mixed)" at 254.488,105.454 h1.52
  text "-" at 369.821,105.454 h1.52
  text "-" at 391.811,105.454 h1.52
  text "98" at 108.326,101.644 h1.52
  text "11.81mil (0.300mm)" at 123.054,101.644 h1.52
  text "PTH" at 150.986,101.644 h1.52
  text "Round" at 163.835,101.644 h1.52
  text "Top Layer - Bottom Layer" at 182.474,101.644 h1.52
  text "Via" at 220.562,101.644 h1.52
  text "Rounded" at 235.544,101.644 h1.52
  text "v60h30m0mx0" at 254.488,101.644 h1.52
  text "-" at 369.821,101.644 h1.52
  text "-" at 391.811,101.644 h1.52
  text "110 Total" at 108.326,97.834 h1.52

## Dimensions
119.5,83.5 to 119.5,55.5 on Top Overlay
116.5,80.5 to 168,80.5 on Top Overlay